# KiCad board px16_regfile.kicad_pcb (continued)
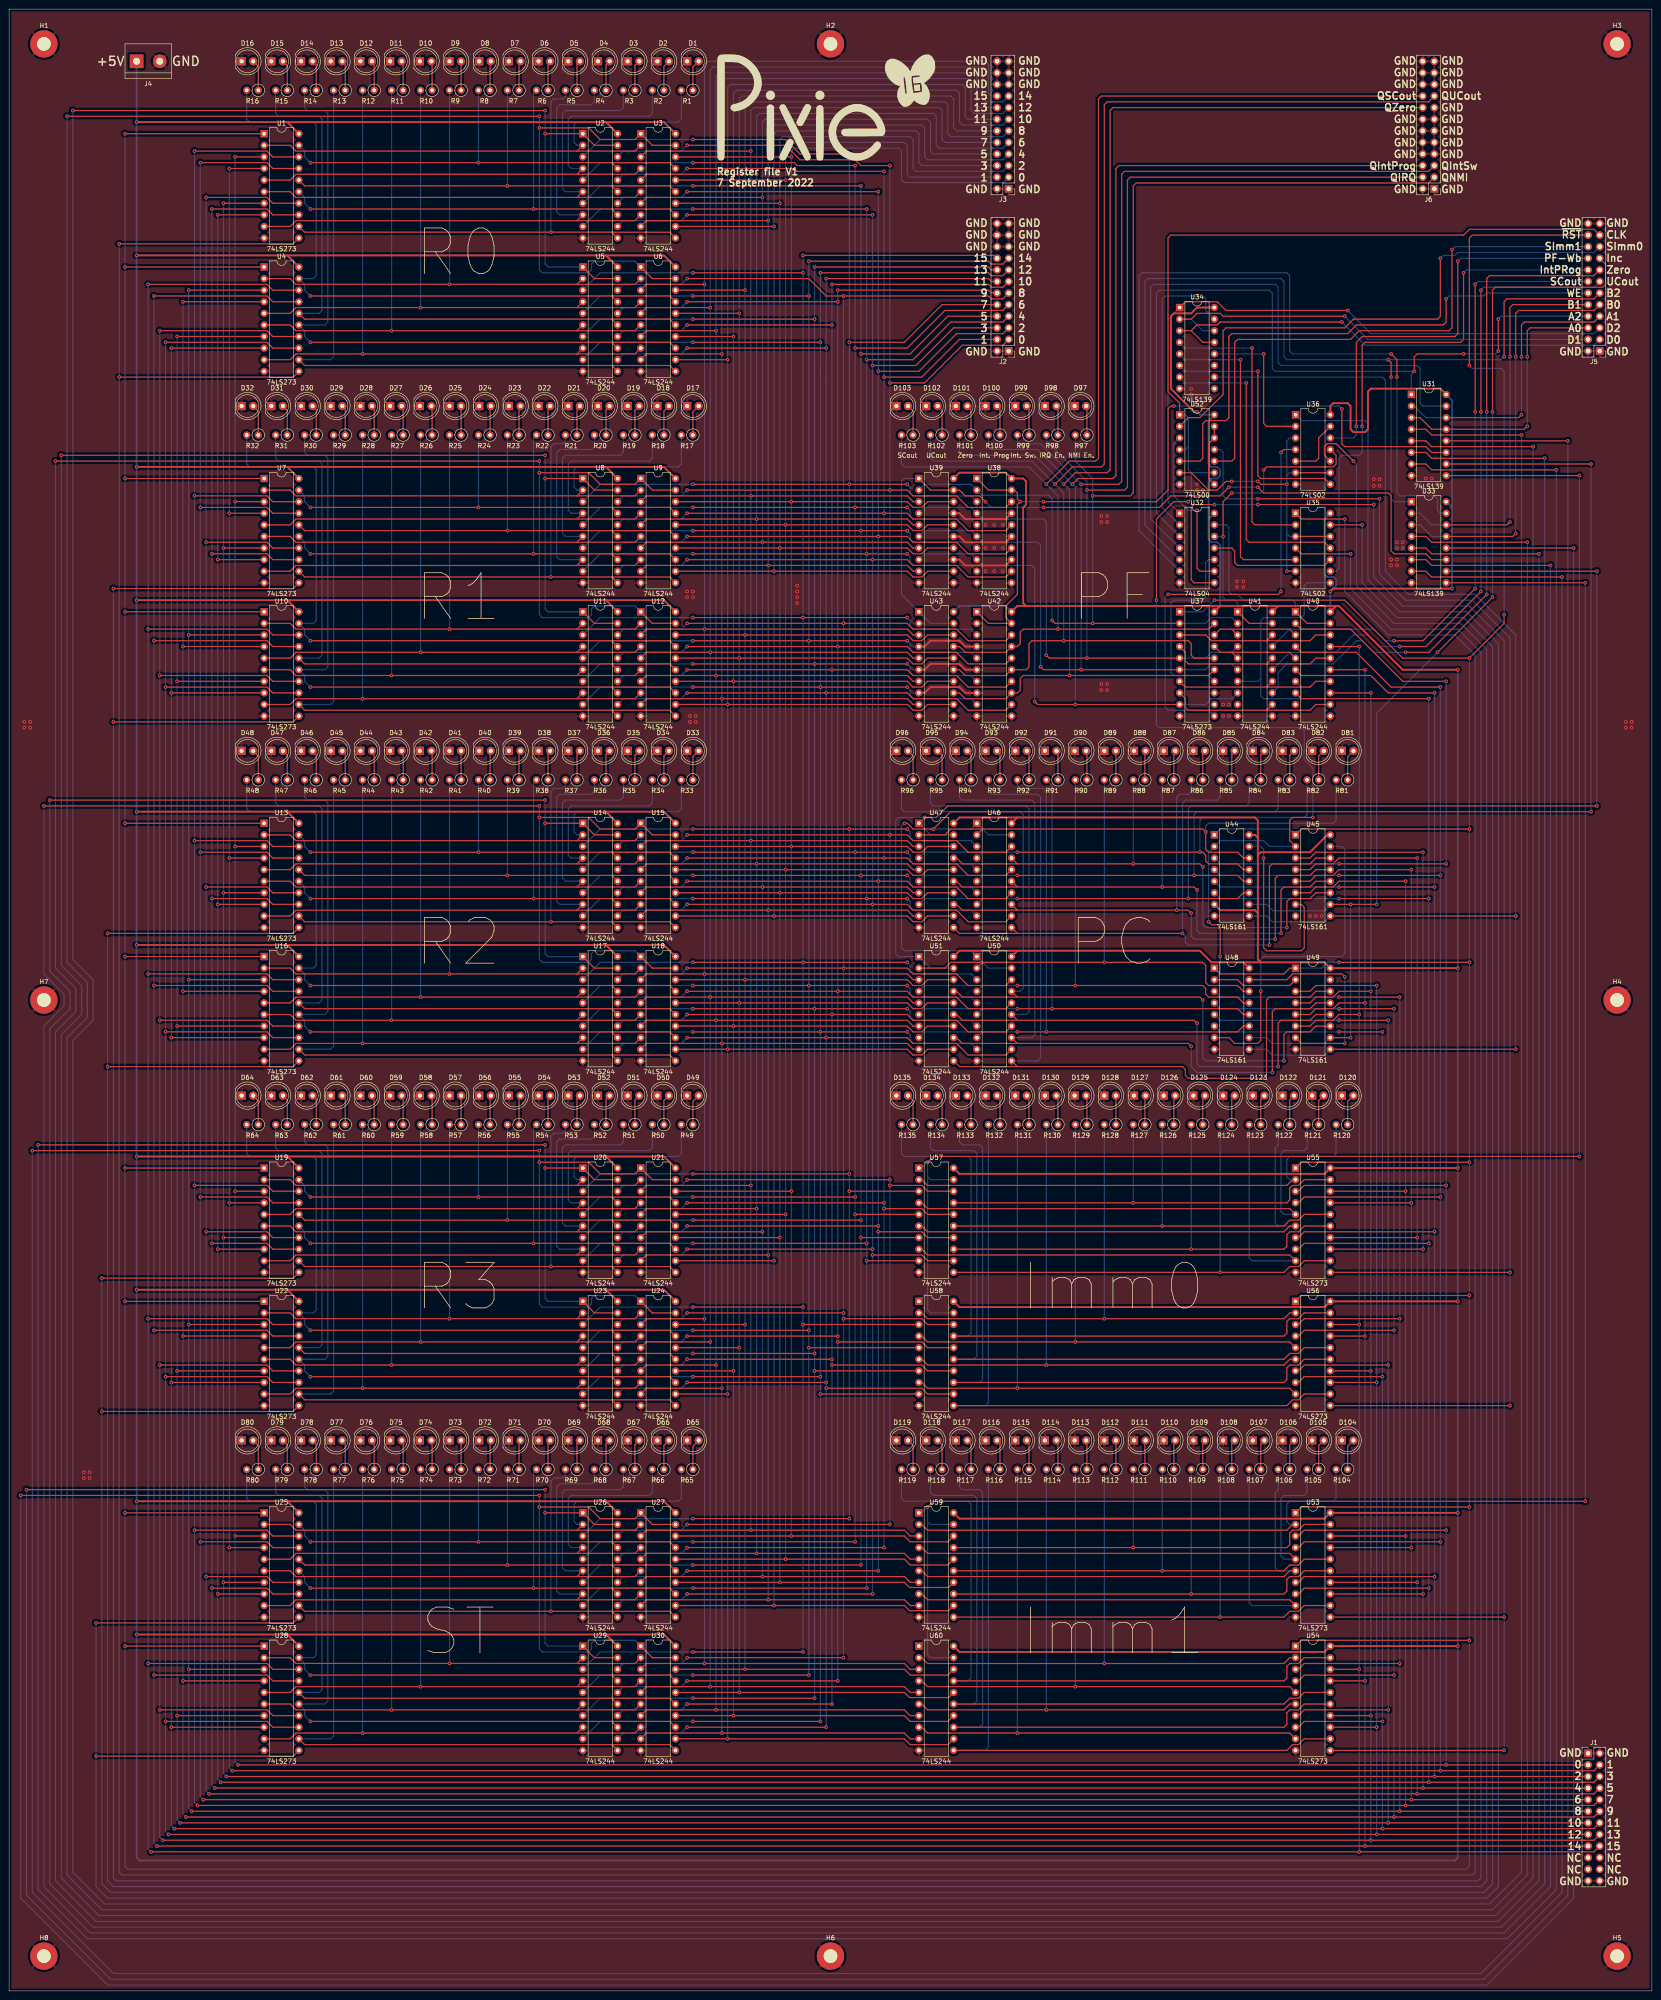
[diagram p0: board, top side]
## Routing (per net, layer and track width the routed paths; a pad name or vN(x,y) marks a point on that pad's centre or on a via; arc(x,y) is an arc through that point) (continued)
  Bottom w0.25: 133.35,221.61 134.62,222.88 147.32,222.88 v1(148.59,224.15) ; v1(182.88,371.47) v1(182.88,299.72) v1(182.88,224.15) v1(182.88,148.59) v1(182.88,147.32) v1(182.88,73.02) ; v1(148.59,73.02) 147.32,71.75 134.62,71.75 U29.18 ; v1(148.59,148.59) 147.32,147.32 134.62,147.32 133.35,146.05 ; v1(148.59,299.72) 147.32,298.45 134.62,298.45 133.35,297.18 ; 133.35,372.75 134.62,374.01 147.32,374.01 v1(148.59,375.28)
/PbA9: length 692.9
  Top w0.25: v1(148.59,370.2) v1(181.61,370.2) ; U50.16 218.44,215.26 210.19,215.26 207.64,217.8 198.12,217.8 196.85,219.07 v1(181.61,219.07) v1(148.59,219.07) ; v1(181.61,142.24) 200.02,142.24 201.3,140.97 U58.16 ; U42.16 218.44,290.83 210.19,290.83 207.64,293.37 198.12,293.37 196.85,294.64 v1(181.61,294.64) v1(148.59,294.64) ; v1(181.61,372.75) 214.63,372.75 215.18,372.2 216.45,372.2 J2.12 ; v1(148.59,67.94) v1(181.61,67.94) ; v1(148.59,143.51) v1(181.61,143.51)
  Bottom w0.25: v1(148.59,370.2) 147.32,368.93 134.62,368.93 133.35,367.66 ; 133.35,140.97 134.62,142.24 147.32,142.24 v1(148.59,143.51) ; U29.16 134.62,66.67 147.32,66.67 v1(148.59,67.94) ; 133.35,292.1 134.62,293.37 147.32,293.37 v1(148.59,294.64) ; v1(181.61,372.75) v1(181.61,370.2) v1(181.61,294.64) v1(181.61,219.07) v1(181.61,143.51) v1(181.61,142.24) v1(181.61,67.94) ; v1(148.59,219.07) 147.32,217.8 134.62,217.8 U17.16
/PbA10: length 701
  Top w0.25: v1(148.59,213.99) v1(180.34,213.99) 196.85,213.99 198.12,212.72 207.64,212.72 210.19,210.18 218.44,210.18 U50.14 ; v1(148.59,62.86) v1(180.34,62.86) ; v1(148.59,289.56) v1(180.34,289.56) 196.85,289.56 198.12,288.29 207.64,288.29 210.19,285.75 218.44,285.75 U42.14 ; v1(148.59,365.12) v1(180.34,365.12) ; v1(180.34,137.16) 200.02,137.16 201.3,135.89 U58.14 ; v1(148.59,138.43) v1(180.34,138.43) ; v1(180.34,374.01) 214.63,374.01 215.26,373.38 217.81,373.38 J2.13
  Bottom w0.25: v1(148.59,62.86) 147.32,61.59 134.62,61.59 U29.14 ; v1(180.34,62.86) v1(180.34,138.43) v1(180.34,213.99) v1(180.34,289.56) v1(180.34,365.12) v1(180.34,374.01) ; v1(148.59,365.12) 147.32,363.85 134.62,363.85 133.35,362.58 ; 133.35,287.02 134.62,288.29 147.32,288.29 v1(148.59,289.56) ; v1(148.59,213.99) 147.32,212.72 134.62,212.72 U17.14 ; v1(148.59,138.43) 147.32,137.16 134.62,137.16 133.35,135.89
/PbA11: length 703
  Top w0.25: v1(148.59,208.91) v1(179.07,208.91) 196.85,208.91 198.12,207.64 207.64,207.64 210.19,205.1 218.44,205.1 U50.12 ; v1(148.59,360.04) v1(179.07,360.04) ; v1(148.59,57.78) v1(179.07,57.78) ; v1(148.59,284.48) v1(179.07,284.48) 196.85,284.48 198.12,283.21 207.64,283.21 210.19,280.67 218.44,280.67 U42.12 ; U58.12 201.3,130.81 200.02,132.08 v1(179.07,132.08) ; v1(179.07,375.28) 214.63,375.28 215.26,374.65 J2.14 ; v1(148.59,133.35) v1(179.07,133.35)
  Bottom w0.25: v1(148.59,360.04) 147.32,358.77 134.62,358.77 133.35,357.5 ; v1(148.59,57.78) 147.32,56.51 134.62,56.51 U29.12 ; v1(148.59,284.48) 147.32,283.21 134.62,283.21 133.35,281.94 ; v1(179.07,57.78) v1(179.07,133.35) v1(179.07,208.91) v1(179.07,284.48) v1(179.07,360.04) v1(179.07,375.28) ; 133.35,130.81 134.62,132.08 147.32,132.08 v1(148.59,133.35) ; v1(148.59,208.91) 147.32,207.64 134.62,207.64 U17.12
/PbA12: length 722.6
  Top w0.25: v1(149.86,59.05) v1(177.8,59.05) ; v1(149.86,285.75) v1(177.8,285.75) v1(196.85,285.75) ; v1(196.85,210.18) v1(177.8,210.18) v1(149.86,210.18) ; J2.15 217.81,375.92 215.26,375.92 214.63,376.55 v1(177.8,376.55) ; v1(149.86,134.62) v1(177.8,134.62) ; U58.9 v1(177.8,130.81) ; v1(149.86,361.31) v1(177.8,361.31)
  Bottom w0.25: v1(177.8,376.55) v1(177.8,361.31) v1(177.8,285.75) v1(177.8,210.18) v1(177.8,134.62) v1(177.8,130.81) v1(177.8,59.05) ; 125.73,281.94 129.54,285.75 v1(149.86,285.75) ; U29.9 129.54,59.05 v1(149.86,59.05) ; v1(149.86,210.18) 129.54,210.18 U17.9 ; 125.73,130.81 129.54,134.62 v1(149.86,134.62) ; 125.73,357.5 129.54,361.31 v1(149.86,361.31) ; U42.9 210.82,283.21 198.12,283.21 197.49,283.84 197.49,285.12 v1(196.85,285.75) ; v1(196.85,210.18) 197.49,209.55 197.49,208.28 198.12,207.64 210.82,207.64 U50.9
/PbA13: length 714.5
  Top w0.25: v1(196.85,290.83) v1(176.53,290.83) v1(149.86,290.83) ; U58.7 v1(176.53,135.89) ; v1(196.85,215.26) v1(176.53,215.26) v1(149.86,215.26) ; v1(149.86,139.7) v1(176.53,139.7) ; v1(176.53,377.82) 214.63,377.82 215.26,377.19 J2.16 ; v1(149.86,366.39) v1(176.53,366.39) ; v1(149.86,64.13) v1(176.53,64.13)
  Bottom w0.25: U17.7 129.54,215.26 v1(149.86,215.26) ; 125.73,135.89 129.54,139.7 v1(149.86,139.7) ; v1(149.86,64.13) 129.54,64.13 U29.7 ; U50.7 210.82,212.72 198.12,212.72 197.49,213.36 197.49,214.63 v1(196.85,215.26) ; v1(149.86,290.83) 129.54,290.83 125.73,287.02 ; U42.7 210.82,288.29 198.12,288.29 197.49,288.92 197.49,290.19 v1(196.85,290.83) ; v1(149.86,366.39) 129.54,366.39 125.73,362.58 ; v1(176.53,64.13) v1(176.53,135.89) v1(176.53,139.7) v1(176.53,215.26) v1(176.53,290.83) v1(176.53,366.39) v1(176.53,377.82)
/PbA14: length 712.5
  Top w0.25: v1(149.86,295.91) v1(175.26,295.91) v1(196.85,295.91) ; v1(149.86,220.34) v1(175.26,220.34) v1(196.85,220.34) ; v1(149.86,69.21) v1(175.26,69.21) ; v1(175.26,379.09) 214.63,379.09 215.26,378.46 217.81,378.46 J2.17 ; U58.5 v1(175.26,140.97) ; v1(149.86,144.78) v1(175.26,144.78) ; v1(149.86,371.47) v1(175.26,371.47)
  Bottom w0.25: v1(196.85,220.34) 197.49,219.71 197.49,218.44 198.12,217.8 210.82,217.8 U50.5 ; v1(149.86,371.47) 129.54,371.47 125.73,367.66 ; v1(149.86,295.91) 129.54,295.91 125.73,292.1 ; v1(196.85,295.91) 197.49,295.27 197.49,294 198.12,293.37 210.82,293.37 U42.5 ; 125.73,140.97 129.54,144.78 v1(149.86,144.78) ; U29.5 129.54,69.21 v1(149.86,69.21) ; v1(175.26,69.21) v1(175.26,144.78) v1(175.26,220.34) v1(175.26,295.91) v1(175.26,371.47) v1(175.26,379.09) ; v1(149.86,220.34) 129.54,220.34 U17.5
/PbA15: length 704.3
  Top w0.25: v1(196.85,300.99) v1(173.99,300.99) v1(149.86,300.99) ; v1(149.86,376.55) v1(173.99,376.55) ; v1(149.86,74.29) v1(173.99,74.29) ; v1(173.99,380.36) 215.9,380.36 J2.18 ; v1(149.86,149.86) v1(173.99,149.86) ; U58.3 v1(173.99,146.05) ; v1(196.85,225.42) v1(173.99,225.42) v1(149.86,225.42)
  Bottom w0.25: v1(196.85,300.99) 197.49,300.35 197.49,299.08 198.12,298.45 210.82,298.45 U42.3 ; 212.09,221.61 210.82,222.88 198.12,222.88 197.49,223.52 197.49,224.79 v1(196.85,225.42) ; v1(149.86,225.42) 129.54,225.42 125.73,221.61 ; v1(173.99,74.29) v1(173.99,146.05) v1(173.99,149.86) v1(173.99,225.42) v1(173.99,300.99) v1(173.99,376.55) v1(173.99,380.36) ; 125.73,372.75 129.54,376.55 v1(149.86,376.55) ; v1(149.86,300.99) 129.54,300.99 125.73,297.18 ; v1(149.86,74.29) 129.54,74.29 U29.3 ; v1(149.86,149.86) 129.54,149.86 125.73,146.05
/PbB0: length 595.6
  Top w0.25: v1(171.45,401.95) 146.05,401.95 ; U47.18 201.3,250.82 200.02,249.55 198.12,249.55 196.85,250.82 v1(171.45,250.82) U15.18 ; U59.18 205.74,98.42 197.49,98.42 196.21,99.69 v1(171.45,99.69) U27.18 ; 146.05,326.39 v1(171.45,326.39) 196.85,326.39 198.12,325.12 200.02,325.12 201.3,326.39 U39.18 ; v1(171.45,175.26) 146.05,175.26
  Bottom w0.25: v1(171.45,99.69) v1(171.45,175.26) v1(171.45,250.82) v1(171.45,326.39) v1(171.45,401.95) 171.45,403.22 172.08,403.86 194.94,403.86 195.58,403.22 195.58,396.88 196.12,396.33 217.9,396.33 J3.3
/PbB1: length 597.7
  Top w0.25: 146.05,321.31 v1(170.18,321.31) 196.85,321.31 198.12,320.04 200.02,320.04 201.3,321.31 U39.16 ; U59.16 205.74,93.34 197.49,93.34 196.21,94.61 v1(170.18,94.61) U27.16 ; U47.16 201.3,245.74 200.02,244.47 198.12,244.47 196.85,245.74 v1(170.18,245.74) U15.16 ; 146.05,170.18 v1(170.18,170.18) ; 146.05,396.88 v1(170.18,396.88)
  Bottom w0.25: v1(170.18,94.61) v1(170.18,170.18) v1(170.18,245.74) v1(170.18,321.31) v1(170.18,396.88) 170.18,404.5 170.81,405.13 196.21,405.13 196.85,404.5 196.85,398.14 197.49,397.51 J3.4
/PbB2: length 605.7
  Top w0.25: U15.14 v1(168.91,240.66) 196.85,240.66 198.12,239.39 200.02,239.39 201.3,240.66 U47.14 ; 146.05,165.1 v1(168.91,165.1) ; 146.05,391.79 v1(168.91,391.79) ; U27.14 v1(168.91,89.53) 196.21,89.53 197.34,88.41 205.89,88.41 U59.14 ; 146.05,316.23 v1(168.91,316.23) 196.85,316.23 198.12,314.96 200.02,314.96 201.3,316.23 U39.14
  Bottom w0.25: v1(168.91,89.53) v1(168.91,165.1) v1(168.91,240.66) v1(168.91,316.23) v1(168.91,391.79) 168.91,405.76 169.55,406.4 197.49,406.4 198.12,405.76 198.12,399.41 198.75,398.78 217.81,398.78 J3.5
/PbB3: length 607.7
  Top w0.25: U15.12 v1(167.64,235.58) 196.85,235.58 198.12,234.31 200.02,234.31 201.3,235.58 U47.12 ; U27.12 v1(167.64,84.45) 196.21,84.45 197.34,83.33 205.89,83.33 U59.12 ; 146.05,160.02 v1(167.64,160.02) ; U39.12 201.3,311.15 200.02,309.88 198.12,309.88 196.85,311.15 v1(167.64,311.15) 146.05,311.15 ; 146.05,386.71 v1(167.64,386.71)
  Bottom w0.25: v1(167.64,84.45) v1(167.64,160.02) v1(167.64,235.58) v1(167.64,311.15) v1(167.64,386.71) 167.64,407.03 168.27,407.67 198.75,407.67 199.39,407.03 199.39,400.68 200.02,400.05 J3.6
/PbB4: length 625.9
  Top w0.25: U59.9 197.49,84.45 196.21,85.72 v1(166.37,85.72) 139.7,85.72 U27.9 ; U47.9 198.12,235.58 196.85,236.85 v1(166.37,236.85) 139.7,236.85 U15.9 ; 138.43,386.71 139.7,387.98 v1(166.37,387.98) ; 138.43,160.02 139.7,161.29 v1(166.37,161.29) ; U39.9 198.12,311.15 196.85,312.42 v1(166.37,312.42) 139.7,312.42 138.43,311.15
  Bottom w0.25: J3.7 217.81,401.32 201.3,401.32 200.66,401.95 200.66,408.3 200.02,408.94 167,408.94 166.37,408.3 v1(166.37,387.98) v1(166.37,312.42) v1(166.37,236.85) v1(166.37,161.29) v1(166.37,85.72)
/PbB5: length 617.8
  Top w0.25: v1(165.1,166.37) 139.7,166.37 138.43,165.1 ; 138.43,316.23 139.7,317.5 v1(165.1,317.5) 196.85,317.5 198.12,316.23 U39.7 ; U59.7 197.49,89.53 196.21,90.8 v1(165.1,90.8) 139.7,90.8 U27.7 ; U47.7 198.12,240.66 196.85,241.93 v1(165.1,241.93) 139.7,241.93 U15.7 ; v1(165.1,393.06) 139.7,393.06 138.43,391.79
  Bottom w0.25: J3.8 202.56,402.59 201.93,403.22 201.93,409.57 201.3,410.21 165.74,410.21 165.1,409.57 v1(165.1,393.06) v1(165.1,317.5) v1(165.1,241.93) v1(165.1,166.37) v1(165.1,90.8)
/PbB6: length 615.8
  Top w0.25: v1(163.83,171.45) 139.7,171.45 138.43,170.18 ; v1(163.83,398.14) 139.7,398.14 138.43,396.88 ; U27.5 139.7,95.88 v1(163.83,95.88) 196.21,95.88 197.49,94.61 U59.5 ; U15.5 139.7,247.01 v1(163.83,247.01) 196.85,247.01 198.12,245.74 U47.5 ; U39.5 198.12,321.31 196.85,322.58 v1(163.83,322.58) 139.7,322.58 138.43,321.31
  Bottom w0.25: v1(163.83,95.88) v1(163.83,171.45) v1(163.83,247.01) v1(163.83,322.58) v1(163.83,398.14) 163.83,410.84 164.46,411.48 202.56,411.48 203.2,410.84 203.2,404.5 203.83,403.86 217.81,403.86 J3.9
/PbB7: length 607.6
  Top w0.25: v1(162.56,176.53) 139.7,176.53 138.43,175.26 ; 138.43,401.95 139.7,403.22 v1(162.56,403.22) ; 138.43,326.39 139.7,327.66 v1(162.56,327.66) 196.85,327.66 198.12,326.39 U39.3 ; U27.3 139.7,100.96 v1(162.56,100.96) 196.21,100.96 197.49,99.69 U59.3 ; U15.3 139.7,252.09 v1(162.56,252.09) 196.85,252.09 198.12,250.82 U47.3
  Bottom w0.25: v1(162.56,100.96) v1(162.56,176.53) v1(162.56,252.09) v1(162.56,327.66) v1(162.56,403.22) 162.56,412.11 163.19,412.75 203.83,412.75 204.47,412.11 204.47,405.76 205.11,405.13 J3.10
/PbB8: length 624.9
  Top w0.25: 146.05,372.75 161.29,372.75 v1(161.29,372.75) ; v1(161.29,146.05) 161.29,146.05 146.05,146.05 ; U30.18 161.29,70.49 v1(161.29,70.48) 196.21,70.48 197.49,69.21 205.74,69.21 U60.18 ; 146.05,297.18 161.29,297.18 v1(161.29,297.18) 196.85,297.18 198.12,295.91 200.02,295.91 201.3,297.18 U43.18 ; 207.01,221.61 201.3,221.61 200.02,220.34 198.12,220.34 196.85,221.61 v1(161.29,221.61) 161.29,221.62 146.05,221.62
  Bottom w0.25: J3.11 217.81,406.4 206.38,406.4 205.74,407.03 205.74,413.38 205.11,414.02 161.93,414.02 161.29,413.38 v1(161.29,372.75) v1(161.29,297.18) v1(161.29,221.61) v1(161.29,146.05) v1(161.29,70.48)
/PbB9: length 626.8
  Top w0.25: v1(160.02,367.66) 160.01,367.67 146.05,367.67 ; 146.05,292.1 160.01,292.1 v1(160.02,292.1) 196.85,292.1 198.12,290.83 200.02,290.83 201.3,292.1 U43.16 ; 146.05,216.54 160.01,216.54 v1(160.02,216.53) 196.85,216.53 198.12,215.26 200.02,215.26 201.3,216.53 U51.16 ; U60.16 205.89,64.28 197.34,64.28 196.21,65.4 v1(160.02,65.4) 160.01,65.41 U30.16 ; 146.05,140.97 160.01,140.97 v1(160.02,140.97)
  Bottom w0.25: v1(160.02,65.4) v1(160.02,140.97) v1(160.02,216.53) v1(160.02,292.1) v1(160.02,367.66) 160.02,414.65 160.65,415.29 206.38,415.29 207.01,414.65 207.01,408.3 207.64,407.67 J3.12
/PbB10: length 635
  Top w0.25: 146.05,362.59 158.75,362.59 v1(158.75,362.58) ; v1(158.75,135.89) 158.75,135.89 146.05,135.89 ; U43.14 201.3,287.02 200.02,285.75 198.12,285.75 196.85,287.02 v1(158.75,287.02) 158.75,287.02 146.05,287.02 ; 146.05,211.46 158.75,211.46 v1(158.75,211.45) 196.85,211.45 198.12,210.18 200.02,210.18 201.3,211.45 U51.14 ; U30.14 158.75,60.33 v1(158.75,60.32) 196.21,60.32 197.49,59.05 205.74,59.05 U60.14
  Bottom w0.25: v1(158.75,60.32) v1(158.75,135.89) v1(158.75,211.45) v1(158.75,287.02) v1(158.75,362.58) 158.75,415.92 159.38,416.56 207.64,416.56 208.28,415.92 208.28,409.57 208.92,408.94 217.81,408.94 J3.13
/PbB11: length 637.1
  Top w0.25: v1(157.48,130.81) 157.48,130.81 146.05,130.81 ; 146.05,206.38 157.48,206.38 v1(157.48,206.38) 196.85,206.38 198.12,205.1 200.02,205.1 201.3,206.38 U51.12 ; v1(157.48,357.5) 157.48,357.51 146.05,357.51 ; U30.12 157.48,55.25 v1(157.48,55.24) 196.21,55.24 197.49,53.97 205.74,53.97 U60.12 ; U43.12 201.3,281.94 200.02,280.67 198.12,280.67 196.85,281.94 v1(157.48,281.94) 157.48,281.94 146.05,281.94
  Bottom w0.25: v1(157.48,55.24) v1(157.48,130.81) v1(157.48,206.38) v1(157.48,281.94) v1(157.48,357.5) 157.48,417.19 158.12,417.83 208.92,417.83 209.55,417.19 209.55,410.84 210.19,410.21 J3.14
/PbB12: length 655.1
  Top w0.25: v1(156.21,358.77) 139.69,358.77 138.43,357.51 ; 138.43,281.94 139.69,283.21 v1(156.21,283.21) 196.85,283.21 198.12,281.94 U43.9 ; U51.9 198.12,206.38 196.85,207.64 v1(156.21,207.64) 139.69,207.64 138.43,206.38 ; 138.43,130.81 139.69,132.08 v1(156.21,132.08) ; U30.9 139.69,56.51 v1(156.21,56.51) 196.21,56.51 197.49,55.24 U60.9
  Bottom w0.25: v1(156.21,56.51) v1(156.21,132.08) v1(156.21,207.64) v1(156.21,283.21) v1(156.21,358.77) 156.21,418.46 156.84,419.1 210.19,419.1 210.82,418.46 210.82,412.11 211.45,411.48 217.81,411.48 J3.15
/PbB13: length 647
  Top w0.25: v1(154.94,137.16) 139.69,137.16 138.43,135.89 ; 138.43,287.02 139.69,288.29 v1(154.94,288.29) 196.85,288.29 198.12,287.02 U43.7 ; U30.7 139.69,61.59 v1(154.94,61.59) 196.21,61.59 197.49,60.32 U60.7 ; U51.7 198.12,211.45 196.85,212.72 v1(154.94,212.72) 139.69,212.72 138.43,211.46 ; v1(154.94,363.85) 139.69,363.85 138.43,362.59
  Bottom w0.25: v1(154.94,61.59) v1(154.94,137.16) v1(154.94,212.72) v1(154.94,288.29) v1(154.94,363.85) 154.94,419.73 155.57,420.37 211.45,420.37 212.09,419.73 212.09,413.38 212.73,412.75 J3.16
/PbB14: length 645
  Top w0.25: 138.43,140.97 139.69,142.24 v1(153.67,142.24) ; v1(153.67,368.93) 139.69,368.93 138.43,367.67 ; U51.5 198.12,216.53 196.85,217.8 v1(153.67,217.8) 139.69,217.8 138.43,216.54 ; 138.43,292.1 139.69,293.37 v1(153.67,293.37) 196.85,293.37 198.12,292.1 U43.5 ; U30.5 139.69,66.67 v1(153.67,66.67) 196.21,66.67 197.49,65.4 U60.5
  Bottom w0.25: v1(153.67,66.67) v1(153.67,142.24) v1(153.67,217.8) v1(153.67,293.37) v1(153.67,368.93) 153.67,421 154.31,421.64 212.73,421.64 213.36,421 213.36,414.65 214,414.02 217.81,414.02 J3.17
/PbB15: length 636.8
  Top w0.25: 138.43,297.18 139.69,298.45 v1(152.4,298.45) 196.85,298.45 198.12,297.18 U43.3 ; 199.39,221.61 198.12,221.61 196.85,222.88 v1(152.4,222.88) 139.69,222.88 138.43,221.62 ; 138.43,146.05 139.69,147.32 v1(152.4,147.32) ; v1(152.4,374.01) 139.69,374.01 138.43,372.75 ; U60.3 197.49,70.48 196.21,71.75 v1(152.4,71.75) 139.69,71.75 U30.3
  Bottom w0.25: v1(152.4,71.75) v1(152.4,147.32) v1(152.4,222.88) v1(152.4,298.45) v1(152.4,374.01) 152.4,422.27 153.04,422.91 214,422.91 214.63,422.27 214.63,415.92 215.26,415.29 J3.18
/PCQ0: length 118.8
  Top w0.25: 213.36,254.63 206.38,254.63 205.11,253.36 U47.2 ; 213.36,254.63 261.62,254.63 v1(262.25,254) 262.25,250.19 262.89,249.55 269.24,249.55 270.51,248.28 U44.14 ; 213.36,254.63 U46.2
  Bottom w0.25: R81.2 290.83,256.54 290.19,255.9 262.89,255.9 262.25,255.27 v1(262.25,254)
/PCQ1: length 115.7
  Top w0.25: U44.13 270.51,245.74 269.24,247.01 262.89,247.01 262.25,247.65 262.25,248.92 261.62,249.55 v1(220.98,249.55)
  Bottom w0.25: 213.36,249.55 U46.4 ; 213.36,249.55 200.66,249.55 U47.4 ; 213.36,249.55 v1(220.98,249.55) ; R82.2 284.48,257.81 283.84,257.17 261.62,257.17 260.98,256.54 v1(260.98,249.55)
/PCQ2: length 113.9
  Top w0.25: U44.12 270.51,243.2 269.24,244.47 v1(220.98,244.47)
  Bottom w0.25: v1(259.71,244.47) 259.71,257.81 260.35,258.44 277.5,258.44 278.13,259.08 R83.2 ; 213.36,244.47 U46.6 ; 213.36,244.47 v1(220.98,244.47) ; 213.36,244.47 200.66,244.47 U47.6
/PCQ3: length 113.9
  Top w0.25: v1(220.98,239.39) 269.24,239.39 270.51,240.66 U44.11
  Bottom w0.25: 213.36,239.39 v1(220.98,239.39) ; 213.36,239.39 200.66,239.39 U47.8 ; 213.36,239.39 U46.8 ; v1(258.44,239.39) 258.44,259.08 259.08,259.71 271.14,259.71 271.78,260.35 R84.2
/PCQ4: length 145.8
  Top w0.25: v1(276.22,229.23) 276.22,246.38 276.86,247.01 285.12,247.01 286.38,248.28 U45.14 ; U47.11 208.28,231.77 220.98,231.77 ; 220.98,231.77 v1(257.18,231.77) ; 220.98,231.77 U46.11
  Bottom w0.25: v1(276.22,229.23) 258.44,229.23 257.81,229.87 257.81,231.14 v1(257.18,231.77) 257.18,260.35 257.81,260.99 264.79,260.99 265.43,261.62 R85.2
/PCQ5: length 135.6
  Top w0.25: v1(277.5,230.5) 277.5,243.84 278.13,244.47 285.12,244.47 286.38,245.74 U45.13 ; U47.13 207.64,238.12 208.92,236.85 220.98,236.85 ; v1(259.08,236.22) 258.44,236.85 v1(255.9,236.85) 220.98,236.85 ; 220.98,236.85 U46.13
  Bottom w0.25: R86.2 259.08,262.89 258.44,262.25 256.54,262.25 255.9,261.62 v1(255.9,236.85) ; v1(259.08,236.22) 259.08,231.14 259.71,230.5 v1(277.5,230.5)
/PCQ6: length 128.1
  Top w0.25: v1(278.76,231.77) 278.76,241.3 279.4,241.93 285.12,241.93 286.38,243.2 U45.12 ; 220.98,241.93 208.92,241.93 207.64,243.2 U47.15 ; 220.98,241.93 v1(252.73,241.93) 259.71,241.93 v1(260.35,241.3) ; 220.98,241.93 U46.15
  Bottom w0.25: R87.2 v1(252.73,241.93) ; v1(278.76,231.77) 260.98,231.77 260.35,232.41 v1(260.35,241.3)
/PCQ7: length 123
  Top w0.25: v1(261.62,246.38) 260.98,247.01 220.98,247.01 ; 220.98,247.01 208.92,247.01 207.64,248.28 U47.17 ; 220.98,247.01 U46.17 ; U45.11 286.38,240.66 285.12,239.39 280.67,239.39 280.03,238.76 v1(280.03,233.04)
  Bottom w0.25: v1(280.03,233.04) 262.25,233.04 261.62,233.68 v1(261.62,246.38) ; R88.2 v1(246.38,247.01)
/PCQ8: length 119.6
  Top w0.25: 213.36,225.42 206.38,225.42 205.11,224.15 U51.2 ; 213.36,225.42 U50.2 ; 213.36,225.42 261.62,225.42 262.25,224.79 262.25,220.98 262.89,220.34 269.24,220.34 270.51,219.07 U48.14
  Bottom w0.25: R89.2 v1(240.03,225.42)
/PCQ9: length 122.1
  Top w0.25: U48.13 270.51,216.53 269.24,217.8 262.89,217.8 262.25,218.44 262.25,219.71 261.62,220.34 v1(233.68,220.34) v1(220.98,220.34)
  Bottom w0.25: U51.4 200.66,220.34 213.36,220.34 ; R90.2 v1(233.68,220.34) ; 213.36,220.34 U50.4 ; 213.36,220.34 v1(220.98,220.34)
/PCQ10: length 125.9
  Top w0.25: v1(220.98,215.26) v1(228.6,215.26) 269.24,215.26 270.51,213.99 U48.12
  Bottom w0.25: R91.2 228.6,264.16 v1(228.6,215.26) ; 213.36,215.26 212.09,213.99 ; 213.36,215.26 v1(220.98,215.26) ; 213.36,215.26 200.66,215.26 199.39,213.99
/PCQ11: length 136.1
  Top w0.25: v1(220.98,210.18) 269.24,210.18 270.51,211.45 U48.11
  Bottom w0.25: 213.36,210.18 U50.8 ; 213.36,210.18 200.66,210.18 U51.8 ; 213.36,210.18 v1(220.98,210.18) ; R92.2 220.98,264.16 221.62,263.52 226.69,263.52 227.33,262.89 v1(227.33,210.18)
/PCQ12: length 182.5
  Top w0.25: U51.11 208.28,202.56 220.98,202.56 ; 220.98,202.56 U50.11 ; 220.98,202.56 257.18,202.56 257.81,201.93 257.81,200.66 258.44,200.02 274.95,200.02 275.59,200.66 275.59,217.17 276.22,217.8 285.12,217.8 286.38,219.07 U49.14
  Bottom w0.25: U50.11 225.43,203.83 226.06,204.47 226.06,261.62 225.43,262.25 215.26,262.25 214.63,262.89 R93.2
/PCQ13: length 181.2
  Top w0.25: 220.98,207.64 U50.13 ; 220.98,207.64 258.44,207.64 v1(259.08,207.01) ; 220.98,207.64 208.92,207.64 207.64,208.91 U51.13 ; U49.13 286.38,216.53 285.12,215.26 277.5,215.26 276.86,214.63 v1(276.86,201.29)
  Bottom w0.25: v1(259.08,207.01) 259.08,202.56 260.35,201.29 v1(276.86,201.29) ; U50.13 224.15,208.91 224.79,209.55 224.79,260.35 224.15,260.99 208.92,260.99 208.28,261.62 R94.2
/PCQ14: length 180.3
  Top w0.25: U49.12 286.38,213.99 285.12,212.72 278.76,212.72 278.13,212.09 v1(278.13,202.56) ; v1(260.35,212.09) 259.71,212.72 220.98,212.72 ; 220.98,212.72 208.92,212.72 207.64,213.99 207.01,213.99 ; 220.98,212.72 219.71,213.99
  Bottom w0.25: 219.71,213.99 222.88,213.99 223.52,214.63 223.52,259.08 222.88,259.71 202.56,259.71 201.93,260.35 R95.2 ; v1(278.13,202.56) 260.98,202.56 260.35,203.2 v1(260.35,212.09)
/PCQ15: length 179.1
  Top w0.25: 220.98,217.8 260.98,217.8 v1(261.62,217.17) ; 220.98,217.8 U50.17 ; 220.98,217.8 208.92,217.8 207.64,219.07 U51.17 ; v1(279.4,203.83) 279.4,209.55 280.03,210.18 285.12,210.18 286.38,211.45 U49.11
  Bottom w0.25: v1(279.4,203.83) 262.25,203.83 261.62,204.47 v1(261.62,217.17) ; U50.17 221.62,219.07 222.25,219.71 222.25,257.81 221.62,258.44 196.21,258.44 195.58,259.08 R96.2
/PF-Wa: length 71.6
  Top w0.25: v1(266.06,318.77) 266.06,326.39 v1(267.97,328.29) ; U41.19 271.78,299.72 U41.1 ; v1(274.95,333.38) 275.59,334.01 290.19,334.01 290.83,334.64 290.83,336.56 U36.11
  Bottom w0.25: v1(274.95,333.38) 274.95,328.93 274.32,328.29 v1(267.97,328.29) ; U41.1 269.24,304.16 268.6,304.8 266.7,304.8 266.06,305.43 v1(266.06,318.77) U32.12
/PF-Wb: length 94
  Top w0.25: v1(295.27,342.9) 295.27,361.31 296.54,362.58 316.87,362.58 317.5,363.22 v1(317.5,379.09)
  Bottom w0.25: v1(295.27,342.9) 295.27,341 294.64,340.36 U36.12 ; J5.18 318.13,379.73 v1(317.5,379.09)
/PF-WE: length 95.6
  Top w0.25: v1(254,306.07) 278.13,306.07 v1(278.76,306.7) ; v1(278.76,337.18) 279.4,337.82 U36.4
  Bottom w0.25: v1(254,306.07) 253.37,305.43 253.37,281.3 254,280.67 262.89,280.67 U37.11 ; v1(278.76,306.7) v1(278.76,337.18)
/QIntProg: length 320.3
  Top w0.25: v1(233.04,330.2) 234.31,331.47 241.94,331.47 242.57,332.1 242.57,399.41 243.2,400.05 J6.6 ; v1(224.79,282.57) 225.43,281.94 U37.9
  Bottom w0.25: U41.8 267.97,283.21 263.52,283.21 262.25,281.94 U37.9 ; v1(233.68,281.94) 233.68,329.56 v1(233.04,330.2) 225.43,337.82 215.26,337.82 214.63,338.45 R100.2 ; v1(224.79,282.57) 224.79,311.78 224.15,312.42 213.36,312.42 U38.8 210.82,314.96 200.66,314.96 U39.8
/QIntSw: length 305.3
  Top w0.25: 311.15,398.78 244.47,398.78 243.84,398.14 243.84,330.83 243.2,330.2 v1(234.95,330.2) ; J6.5 311.09,398.78 ; v1(226.06,290.19) 226.69,289.56 U37.6
  Bottom w0.25: U37.6 262.25,289.56 263.52,290.83 267.97,290.83 U41.6 ; v1(226.06,290.19) 226.06,316.87 225.43,317.5 213.36,317.5 U38.6 210.82,320.04 200.66,320.04 U39.6 ; R99.2 220.98,339.72 221.62,339.09 226.06,339.09 v1(234.95,330.2) v1(234.95,289.56)
/QIRQ: length 296.2
  Top w0.25: J6.4 245.75,397.51 245.11,396.88 245.11,329.56 244.47,328.93 v1(236.22,328.93) ; U37.5 227.96,292.1 v1(227.33,292.74)
  Bottom w0.25: v1(227.33,292.74) 227.33,321.94 226.69,322.58 213.36,322.58 U38.4 210.82,325.12 200.66,325.12 U39.4 ; U41.4 267.97,293.37 263.52,293.37 262.25,292.1 U37.5 ; R98.2 227.33,339.72 236.22,330.83 v1(236.22,328.93) v1(236.22,292.1)
/QNMI: length 285.8
  Top w0.25: 311.09,396.24 J6.3 ; 311.15,396.24 247.01,396.24 246.38,395.6 246.38,328.29 245.75,327.66 v1(237.49,327.66) ; U37.2 v1(237.49,299.72) 229.24,299.72 v1(228.6,300.35)
  Bottom w0.25: v1(228.6,300.35) 228.6,327.02 227.82,327.8 213.21,327.8 U38.2 210.82,330.2 200.66,330.2 U39.2 ; v1(237.49,299.72) v1(237.49,327.66) 237.49,331.47 233.68,335.28 R97.2 ; U37.2 262.25,299.72 263.52,300.99 267.97,300.99 U41.2
/QSCout: length 298.4
  Top w0.25: v1(227.33,330.2) 232.41,335.28 238.12,335.28 238.76,335.91 238.76,414.65 239.39,415.29 J6.18 ; U37.19 262.89,298.45 v1(229.87,298.45) 222.25,298.45 221.62,297.81 221.62,295.27 220.98,294.64 U42.17 218.44,293.37 209.55,293.37 208.28,294.64 U43.17
  Bottom w0.25: R103.2 195.58,334.64 196.21,334.01 223.52,334.01 v1(227.33,330.2) 229.87,327.66 v1(229.87,298.45)
/QUCout: length 301.3
  Top w0.25: U43.15 208.28,289.56 209.55,288.29 218.44,288.29 U42.15 222.88,289.56 223.52,290.19 223.52,295.27 224.15,295.91 v1(231.14,295.91) 258.44,295.91 259.08,295.27 259.08,292.74 259.71,292.1 U37.16 ; 311.09,414.02 J6.17 ; 311.15,414.02 240.66,414.02 240.03,413.38 240.03,334.64 239.39,334.01 233.04,334.01 v1(229.24,330.2)
  Bottom w0.25: R102.2 201.93,335.91 202.56,335.28 224.15,335.28 v1(229.24,330.2) 231.14,328.29 v1(231.14,295.91)
/QZero: length 292.8
  Top w0.25: v1(231.14,330.2) 233.68,332.74 240.66,332.74 241.3,333.38 241.3,412.11 241.94,412.75 J6.16 ; U43.13 208.28,284.48 209.55,283.21 218.44,283.21 U42.13 220.98,284.48 221.62,285.12 221.62,287.65 222.25,288.29 v1(232.41,288.29) 262.89,288.29 U37.15
  Bottom w0.25: R101.2 208.28,337.18 208.92,336.55 224.79,336.55 v1(231.14,330.2) 232.41,328.93 v1(232.41,288.29)
